# Altium PCB V5_CORE_V1.2.PcbDoc (part 2 of 3)
Units mm, origin at the board's own origin, x right, y up, seen from the top; angles counter-clockwise.
Board outline 33.75 x 33.75 mm, 6 copper layers (Top Layer, GND, S1, S2, POWER, Bottom Layer), stack 1.231 mm thick; 142 components, 227 nets, 732 pads, 359 vias.
Unrouted connection lines stored in the file: 1.
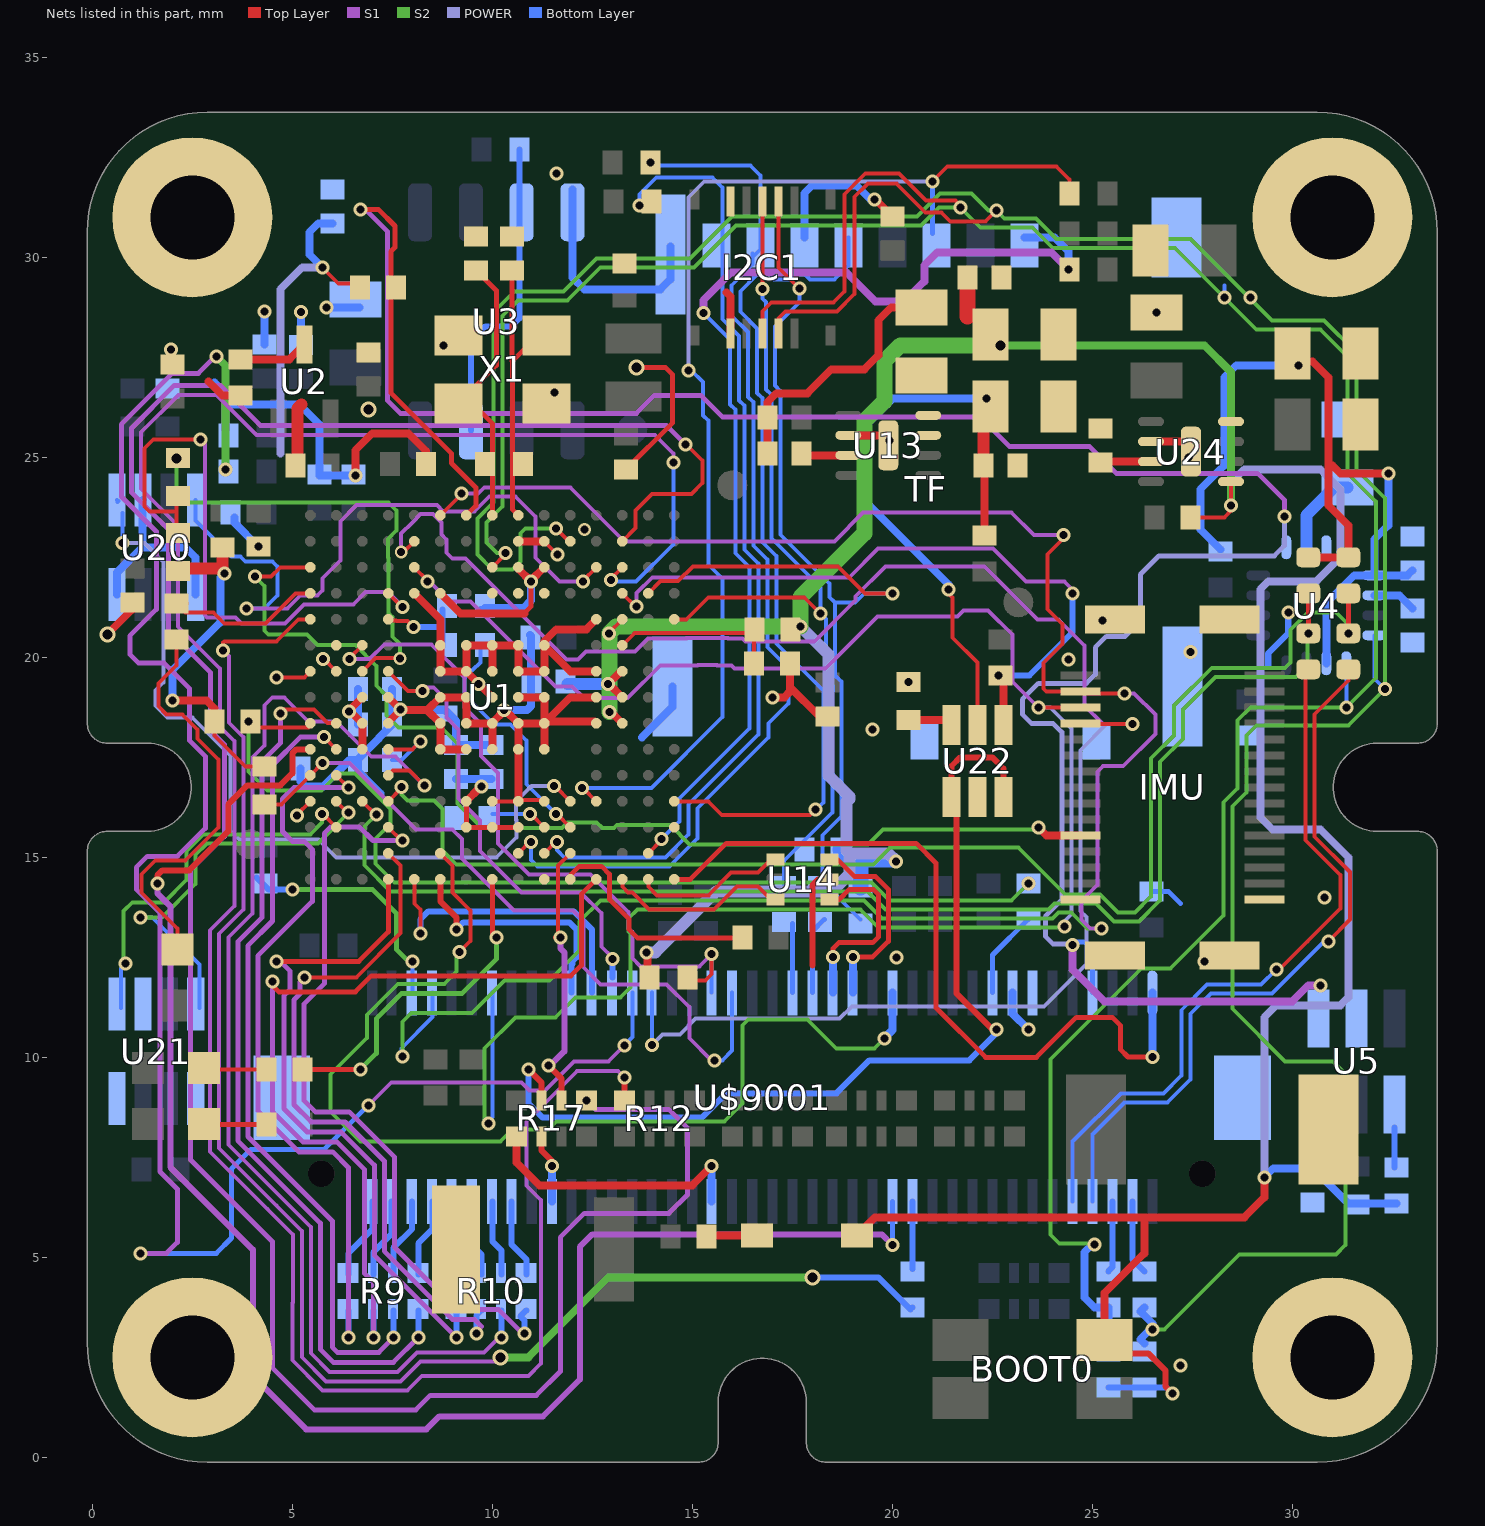
[diagram p6: the nets of this part, all layers, seen from the top]

## Via types
v1: diameter 0.35, hole 0.2, Top Layer to Bottom Layer, tented both sides, 330 vias
v2: diameter 0.4, hole 0.25, Top Layer to Bottom Layer, tented both sides, 18 vias
v3: diameter 0.325, hole 0.2, Top Layer to Bottom Layer, tented both sides, 3 vias
v4: diameter 0.4, hole 0.2, Top Layer to Bottom Layer, tented both sides, 2 vias
v5: diameter 0.6, hole 0.4, Top Layer to Bottom Layer, tented both sides, 1 vias
v6: diameter 0.3, hole 0.2, Top Layer to Bottom Layer, tented both sides, 1 vias
v7: diameter 0.32, hole 0.2, Top Layer to Bottom Layer, tented both sides, 1 vias
v8: diameter 0.55, hole 0.35, Top Layer to Bottom Layer, tented both sides, 1 vias
v9: diameter 0.45, hole 0.25, Top Layer to Bottom Layer, tented both sides, 1 vias
v10: diameter 0.5, hole 0.3, Top Layer to Bottom Layer, tented both sides, 1 vias

## Nets (pads, with @x,y where several pads share a name; then routed paths per layer and width w, separated by ;. In a path a pad name is that pad's centre, name@x,y a point inside that pad or via, vN(x,y) a via of type N, cw(c..) or ccw(c..) an arc to the next point about the centre after c; other vN are vias at no path point) (continued)
FMU-SWDIO: U1.A15 U$9001.1 | length 19.4
  Top Layer w0.125: U1.A15@14.55,14.45 14.95,14.45 15.85,15.35 20.596,15.35 21.088,14.859 21.088,11.246 22.334,10 23.6,10 24.6,11 25.5,11 25.7,10.8 25.7,10.2 25.893,10.007 v1(26.507,10.007)
  Bottom Layer w0.2: v1(26.507,10.007) U$9001.1@26.507,11.616
FMU_CAP4: R12.4 U1.C3 | length 60.9
  Top Layer w0.1: v1(12.967,21.933) 12.933,21.933 U1.C3@13.25,22.25
  Top Layer w0.15: R12.4@13.3,8.925 v1(13.3,9.5)
  S1 w0.1: v1(13.3,9.5) 13.149,9.651 12.115,9.651 10.85,8.386 10.85,6.8 11.212,6.438 11.212,2.348 10.902,2.037 8.237,2.037 7.875,1.675 5.753,1.675 5.728,1.7 5,2.428 5,3.853 5.012,3.865 5.012,5.216 5.012,5.569 4.375,6.207 2.937,7.644 2.937,13.174 3.55,13.786 3.55,17.911 3.187,18.273 3.187,19.723 2.137,20.773 2.137,23.298 1.212,24.223 1.212,25.623 2.152,26.562 3.102,26.562 4.102,25.562 14.063,25.562 14.525,25.1 v1(14.525,24.875)
  Bottom Layer w0.1: v1(12.967,21.933) 13.002,21.898 13.598,21.898 14.525,22.825 v1(14.525,24.875)
FMU_CAP5: R17.1 U1.C2 | length 64.2
  Top Layer w0.1: U1.C2@13.25,22.9 13.583,23.233 13.583,23.671 13.997,24.085 14.98,24.085 15.25,24.355 15.25,24.925 14.825,25.35 v1(14.825,25.325)
  Top Layer w0.15: v1(12.35,8.925) R17.1@12.425,9
  S1 w0.125: v1(12.35,8.925) 12.575,8.7 14.409,8.7 14.884,8.225 14.884,6.57 14.414,6.1 12.3,6.1 11.7,5.5 11.7,2.146 11.104,1.55 8.45,1.55 8.087,1.187 5.551,1.187 4.5,2.238 4.5,5.392 2.45,7.442 2.45,14.675 3.3,15.525 3.3,17.825 2.95,18.175 2.95,19.625 1.9,20.675 1.9,23.2 0.975,24.125 0.975,25.721 2.054,26.8 3.2,26.8 4.2,25.8 14.35,25.8 v1(14.825,25.325)
FMU_CAP6: R17.2 U1.E14 | length 6.9
  Top Layer w0.1: v1@11.562,13 v1(11.7,13) v1@11.7,13.037 ; v1@11.64,13 11.64,14.79 U1.E14@11.95,15.1
  Top Layer w0.15: v1(11.4,9.8) 11.725,9.475 R17.2@11.725,8.925
  S1 w0.15: v1(11.4,9.8) 11.4,9.75 11.8,10.15 11.8,12.625 11.7,12.725 v1(11.7,13)
FMU_CH1: R9.4 U1.P11 | length 18.8
  Top Layer w0.1: U1.P11@6.1,17.05 v1(6.411,16.739)
  S1 w0.125: v1(6.4,3) 6.4,7.246 6.009,7.637 5.163,7.637 4.137,8.663 4.137,12.537 5.5,13.9 5.5,15.2 5.3,15.4 5,15.4 4.755,15.645 4.755,16.455 5.039,16.739 v1(6.411,16.739)
  Bottom Layer w0.15: v1(6.4,3) R9.4@6.4,3.675
FMU_CH2: R9.3 U1.D15 | length 21.6
  Top Layer w0.125: v1(4.5,11.9) 4.5,11.8 4.662,11.638 6.577,11.638 6.977,12.038 11.963,12.038 12.225,12.3 12.225,14.075 U1.D15@12.6,14.45
  S1 w0.125: v1(4.5,11.9) 4.5,8.654 5.266,7.887 6.113,7.887 6.8,7.2 6.8,4.6 7.025,4.375 v1(7.025,3)
  Bottom Layer w0.15: v1(7.025,3) R9.3@7.025,3.675
FMU_CH3: R9.2 U1.P10 | length 20.2
  Top Layer w0.1: v1@5.764,18.036 v1(5.789,18.011) U1.P10@6.1,17.7
  S1 w0.125: v1(5.789,18.011) 5.211,18.011 4.505,17.305 4.505,13.405 3.887,12.787 3.887,8.02 6,5.908 6,2.754 6.129,2.625 7.163,2.625 7.525,2.987 v1(7.525,3) ; v1@5.827,18.011 v1@5.827,18.097
  Bottom Layer w0.15: v1(7.525,3) R9.2@7.525,3.675
FMU_CH4: R9.1 U1.P9 | length 22.3
  Top Layer w0.1: v1@4.71,18.69 5.548,18.69 5.877,18.361 6.1,18.361 U1.P9@6.1,18.35
  S1 w0.125: v1(4.7,18.6) 4.7,17.854 4.237,17.391 4.237,13.491 3.637,12.891 3.637,7.917 5.7,5.854 5.7,2.7 6.025,2.375 7.529,2.375 8.15,2.996 v1(8.15,3)
  Bottom Layer w0.15: v1(8.15,3) R9.1@8.15,3.675
FMU_CH5: R10.4 U1.M15 | length 17
  Top Layer w0.125: v1(4.6,12.4) 6.664,12.4 7.4,13.136 U1.M15@7.4,14.45
  S1 w0.125: v1(4.6,12.4) 4.7,12.4 4.937,12.162 4.937,11.684 4.789,11.536 4.789,8.718 5.37,8.137 6.216,8.137 7.05,7.304 7.05,5.05 v1(9.1,3)
  Bottom Layer w0.15: v1(9.1,3) R10.4@9.1,3.675
FMU_CH6: R10.3 U1.M14 | length 17.4
  Top Layer w0.1: v1(5.3,12) 6.6,12 7.71,13.11 7.71,14.79 U1.M14@7.4,15.1
  S1 w0.125: v1(5.3,12) 5.187,11.887 5.187,11.58 5.039,11.432 5.039,8.821 5.473,8.387 6.32,8.387 7.3,7.407 7.3,5.154 9.004,3.45 9.55,3.45 9.725,3.275 9.6,3.15 v1(9.6,3.1)
  Bottom Layer w0.15: v1(9.6,3.1) 9.6,3.55 R10.3@9.725,3.675
FMU_CH7: R10.2 U1.M11 | length 29.5
  Top Layer w0.1: U1.M11@7.4,17.05 7.515,17.165 7.935,17.165 v1(8.3,16.8)
  S1 w0.1: v1(8.3,16.8) 7.575,17.525 6.975,17.525 6.1,18.4 5.4,18.4 4.8,19 4.5,19 4.3,18.8 4.3,17.789 4,17.489 4,13.6 3.4,13 3.4,7.818 5.463,5.756 5.463,2.602 5.927,2.138 7.627,2.138 8.114,2.625 9.795,2.625 10.17,3 v1(10.225,3)
  Bottom Layer w0.15: v1(10.225,3) R10.2@10.225,3.675
FMU_CH8: R10.1 U1.M13 | length 19.5
  Top Layer w0.1: U1.M13@7.4,15.75 7.733,15.417 v1(7.752,15.417)
  S1 w0.125: v1(7.752,15.417) 7.017,15.417 6.675,15.76 5.96,15.76 5.8,15.6 5.8,11.839 5.289,11.329 5.289,8.925 5.577,8.637 6.423,8.637 7.55,7.511 7.55,5.257 9.107,3.7 10.15,3.7 10.75,3.1 v1(10.8,3.1)
  Bottom Layer w0.15: v1(10.8,3.1) 10.8,3.425 10.7,3.525 R10.1@10.85,3.675
GND: C1.1 C2.1 C3.2 C4.2 C5.1 C6.1 C7.1 C8.1 C9.1 C10.1 C11.1 C13.1 C14.2 C15.2 C16.2 C17.C C18.1 C19.2 C20.2 C21.2 C22.2 C30.2 C31.2 C32.1 C33.1 C34.1 C46.2 C47.1 C48.1 C52.2 C54.2 C55.2 C62.1 C63.1 C69.2 C70.2 C71.1 C72.2 C73.2 D5.2 I2C1.1 I2C1.10 IMU.1 IMU.30 pad.0 R3.2 R4.1 R6.1 R13.2 R14.2 R18.2 R33.1 R36.1 R48.1 R63.2 R64.2 R70.2 R72.1 R74.1 TF.6 TF.9 U1.D5 U1.D7 U1.D8 U1.D9 U1.F2 U1.F6 U1.F7 U1.F8 U1.F9 U1.F10 U1.F12 U1.G2 U1.G6 U1.G7 U1.G8 U1.G9 U1.G10 U1.G12 U1.H6 U1.H7 U1.H8 U1.H9 U1.H10 U1.H12 U1.J6 U1.J7 U1.J8 U1.J9 U1.J10 U1.K6 U1.K7 U1.K8 U1.K9 U1.K10 U1.L4 U1.M8 U1.M9 U3.4 U4.9 U4.11 U5.2 U13.2 U14.2 U20.2 U20.5 U20.8 U21.2 U21.5 U21.8 U22.2 U24.2 U$9001.13 U$9001.15 U$9001.GND X1.2 X1.4 | length 92.9
  Top Layer w0.1: 8.348,18.683 8.367,18.683 8.383,18.683 ; U1.H12@10,16.4 U1.G12@10.65,16.4 10.683,16.433 U1.F12@11.267,16.433 ; U1.F2@11.3,22.9 v1(11.625,22.575)
  Top Layer w0.125: C21.2@13.346,24.7 14.5,25.854 14.5,27.075 14.325,27.25 v2(13.6,27.25)
  Top Layer w0.15: 18,12.3 18,14.3 18.141,14.441 U14.2@18.435,14.441
  Top Layer w0.2: v2(0.375,20.575) 1,21.2 C46.2@1,21.375 ; 2.9,26.9 3.25,26.55 R33.1@3.7,26.55 ; v1(6.575,24.55) 6.575,25.175 7,25.6 7.9,25.6 8.348,25.152 R4.1@8.348,24.836 ; U1.M9@7.4,18.378 v1(7.711,18.689) U1.M8@7.4,19 ; v1@7.733,18.683 8.383,18.683 U1.K8@8.7,19 U1.J8@9.35,19 U1.J9@9.35,18.35 U1.H9@10,18.35 ; U1.L4@8.05,21.6 8.7,20.95 U1.K6@8.7,20.3 U1.K7@8.7,19.65 U1.J7@9.35,19.65 ; 8.367,18.683 U1.K9@8.7,18.35 U1.K10@8.7,17.7 U1.J10@9.35,17.7 ; U1.H10@10,17.7 U1.H9@10,18.35 ; U1.H8@10,19 U1.J7@9.35,19.65 ; U1.H7@10,19.65 U1.H6@10,20.3 ; U1.G12@10.65,16.433 U1.G10@10.65,17.7 U1.G9@10.65,18.35 ; U1.G8@10.65,19 U1.F8@11.3,19 U1.F9@11.3,18.35 ; U1.G2@10.65,22.9 U1.F2@11.3,22.9 ; U1.F10@11.3,17.7 U1.F9@11.3,18.35 ; U1.D9@12.6,18.35 12.55,18.4 U1.F9@11.35,18.4 ; U1.D8@12.6,19 11.95,19 U1.F9@11.35,18.4 ; U1.D7@12.6,19.65 11.95,19.65 U1.F6@11.3,20.3 ; U1.D5@12.6,20.95 12.35,20.7 11.6,20.7 11.3,20.4 U1.F6@11.3,20.3 ; 15.85,29.125 15.95,29.025 I2C1.1@15.95,28.1 ; C31.2@16.875,25.1 C32.1@16.875,26 16.875,26.375 17.1,26.6 17.875,26.6 18.475,27.2 19.3,27.2 19.65,27.55 19.65,28.425 19.975,28.75 C14.2@20.725,28.75 ; v1(17,19) 17.3,19 17.447,19.147 17.447,19.253 ; R3.2@17.447,19.842 17.447,19.253 ; C63.1@18.375,18.525 18.175,18.525 17.447,19.253 ; U13.2@18.9,25.55 U13.2@19.65,25.55 ; v1(19.55,31.45) 19.55,31.475 C34.1@20,31.025 ; U24.2@26.467,25.392 U24.2@27.217,25.392 ; U1.J7@9.35,19.65 U1.J6@9.35,20.3 U1.H6@10,20.3 ; U1.H9@10,18.35 10,18.365 10.317,18.683 U1.G9@10.65,18.35 ; U1.H6@10,20.3 U1.G6@10.65,20.3 U1.G7@10.65,19.65 U1.F7@11.3,19.65 U1.F6@11.3,20.3 ; U1.G9@10.65,18.35 U1.F9@11.3,18.35 ; U1.F9@11.3,18.35 U1.F9@11.35,18.4
  Top Layer w0.3: C48.1@5.075,24.8 5.125,24.85 5.125,26.225 5.225,26.325
  Bottom Layer w0.125: R64.2@26.475,14.15 26.9,14.15 27.2,13.85
  Bottom Layer w0.154: 29.4,19.8 29.4,20.098 29.9,20.598 v1@29.9,21.1
  Bottom Layer w0.2: U20.8@0.621,21.566 0.621,22.121 1.25,22.75 ; U20.2@1.271,23.934 1.25,23.914 1.25,22.75 ; U20.5@2.586,21.566 2.575,21.577 2.575,22.5 2.325,22.75 1.25,22.75 ; 3.05,26.875 3.325,26.6 3.325,26.35 ; R72.1@3.325,25.7 3.325,26.35 ; R63.2@3.55,23.5 3.55,23.366 v1(4.151,22.765) ; C62.1@4.3,27.825 v1(4.3,28.645) ; R36.1@5.2,17.225 5.2,16.9 5.325,16.775 5.775,16.775 6.429,17.429 C3.2@6.647,17.429 ; C71.1@5.22,27.809 v1(5.22,28.629) ; v1(5.855,28.75) C54.2@6.675,28.75 ; v1(6.575,24.55) 5.675,24.55 5.675,25.825 5.175,26.325 3.35,26.325 3.325,26.35 ; 7.2,16.6 6.647,17.153 C3.2@6.647,17.429 ; C7.1@7.497,19.207 C11.1@7.497,18.318 7.151,17.972 7.151,17.954 6.647,17.45 C3.2@6.647,17.429 ; v1@7.711,18.683 8.817,18.683 9.096,18.404 C10.1@9.096,17.808 C9.1@9.985,17.808 ; v1(10.298,18.683) 10.868,18.683 10.965,18.78 10.965,20.533 R6.1@10.94,20.558 ; U3.4@12.005,31.695 U3.4@12.005,31.125 12.005,29.495 12.3,29.2 14.2,29.2 14.45,29.45 TF.6@14.45,30.275 ; 13.746,18 14.5,18.754 TF.6@14.5,19.275 ; TF.6@17.8,30.5 17.8,31.6 18,31.8 19.1,31.8 19.45,31.45 v1(19.55,31.45) ; U$9001.15@23.002,11.608 23.002,11.098 v1(23.4,10.7) ; U$9001.15@23.007,11.608 U$9001.15@23.007,11.616
  other v1: 27.2,2.3 27.8,12.4 20.1,12.5 30.8,14 19.5,18.2 9.65,19.326 20.405,19.382 24.4,19.95 27.451,20.126 25.25,20.925 29.9,21.125 27.4,25 19.925,25.425 11.55,26.625 1.97,27.695 8.775,27.8 26.6,28.625 11.6,32.1
  other v2: 6.9,26.2
  other v3: 12.3,23.2
GPIO_CAN1_RX: U1.D3 U20.4 | length 17.1
  Top Layer w0.1: v1(12.267,21.898) 12.267,21.917 U1.D3@12.6,22.25
  S1 w0.1: v1(3.85,21.225) 4.875,21.225 5.2,21.55 5.625,21.55 5.75,21.675 5.75,21.975 6.2,22.425 6.2,23.4 6.601,23.801 8.614,23.801 8.765,23.65 9.55,23.65 9.925,24.025 10.575,24.025 11.075,23.525 11.075,22.5 11.677,21.898 v1(12.267,21.898)
  Bottom Layer w0.1: U20.4@2.586,23.934 2.586,23.414 3.475,22.525 3.7,22.525 3.825,22.4 4.5,22.4 4.625,22.275 4.625,21.55 4.3,21.225 v1(3.85,21.225)
GPIO_CAN1_SILENT_S0: U1.F4
GPIO_CAN1_TX: U1.E12 U20.1 | length 20.2
  Top Layer w0.1: v1(11.546,16.783) 11.567,16.783 U1.E12@11.95,16.4
  POWER w0.1: v1(0.75,22.851) 1.301,22.851 1.775,22.377 1.775,19.375 1.575,19.175 1.575,18.8 1.875,18.5 2.5,18.5 3.45,17.55 3.45,15.675 3.675,15.45 5.65,15.45 6.1,15 10.1,15 10.6,15.5 10.6,15.935 10.598,15.938 10.598,16.398 10.983,16.783 v1(11.546,16.783)
  Bottom Layer w0.1: U20.1@0.621,23.934 0.65,23.905 U20.1@0.625,23.88 ; v1(0.75,22.851) U20.1@0.75,23.605
GPIO_CAN2_RX: U1.P12 U21.4 | length 10.2
  Top Layer w0.1: U1.P12@6.1,16.4 v1@6.433,16.067
  S2 w0.1: v1(1.2,13.5) 1.739,13.5 2.575,14.336 2.575,15.057 2.868,15.35 5.639,15.35 v1(6.412,16.123)
  Bottom Layer w0.1: v1(1.2,13.5) 1.5,13.5 2.686,12.314 U21.4@2.686,11.234
GPIO_CAN2_SILENT_S1: U1.G4
GPIO_CAN2_TX: U1.P13 U21.1 | length 9.6
  Top Layer w0.1: v1(5.748,16.083) 5.767,16.083 U1.P13@6.1,15.75
  S2 w0.1: v1(0.825,12.35) 0.778,12.397 0.778,13.653 1,13.875 1.795,13.875 2.35,14.43 2.35,15.15 2.775,15.575 5.45,15.575 5.748,15.873 v1(5.748,16.083)
  Bottom Layer w0.1: U21.1@0.721,11.234 0.721,12.221 0.825,12.325 v1(0.825,12.35)
  Bottom Layer w0.125: v1(0.825,12.35) 0.85,12.35 v1@0.9,12.3
GPIO_CAN3_RX: U1.F15
GPIO_CAN3_SILENT_S2: U1.H4
GPIO_CAN3_TX: U1.A13
GPIO_HW_VER_DRIVE: R67.1 U1.N7 | length 11.5
  Top Layer w0.1: U1.N7@6.75,19.65 7.086,19.986 v3@7.69,19.986
  S2 w0.1: v2(2.1,24.975) 2.1,24.15 2.375,23.875 7.4,23.875 7.6,23.675 7.6,23.175 7.388,22.963 7.388,22.49 7.4,22.477 7.4,21.106 7.5,21.006 7.5,20.525 7.69,20.335 v3(7.69,19.975)
GPIO_OTGFS_VBUS: R8.1 U1.E15 | length 5.8
  Top Layer w0.125: U1.E15@11.95,14.45 11.95,14.55 12.173,14.773 12.734,14.773 12.927,14.579 12.927,13.948 13.412,13.463 13.412,13.2 13.625,12.988 16.238,12.988 R8.1@16.25,13
GPIO_PPM_IN: R47.2 U1.C4 U22.4 | length 17.1
  Top Layer w0.1: U1.C4@13.25,21.6 13.583,21.267 13.59,21.275 v1(13.61,21.275)
  Top Layer w0.2: U22.4@22.781,18.308 R47.2@22.781,19.469
  S1 w0.1: v1(13.61,21.275) 13.61,21.61 14,22 18.925,22 19.646,22.721 19.671,22.721 19.675,22.725 22.52,22.725 23.345,21.9 24.3,21.9 24.5,21.7 v1(24.5,21.6)
  Bottom Layer w0.15: v1(22.65,19.55) 23.43,19.55 24.5,20.62 v1(24.5,21.6)
GPIO_SPI5_MISO: IMU.18 U1.L3 U$9001.67 | length 49.2
  Top Layer w0.1: U1.L3@8.05,22.25 v1@8.383,21.917 ; v1(23.65,18.75) IMU.18@24.7,18.75
  S1 w0.1: v1@8.402,21.917 8.92,21.4 9.45,21.4 11.575,19.275 11.998,19.275 12.29,18.983 13.383,18.983 14.2,19.8 15.137,19.8 ; v1(23.65,18.75) 23,19.4 23,20.564 22.389,21.175 21.78,21.175 21.63,21.025 19.635,21.025 18.335,19.725 16.056,19.725 15.981,19.8 15.615,19.8 15.614,19.801 15.138,19.801 ; 15.137,19.8 15.138,19.801
  S2 w0.1: v1(9.9,8.35) 9.8,8.45 9.8,10.22 10.58,11 11.575,11 12.075,11.5 13.2,11.5 13.45,11.75 13.45,13.095 13.4,13.145 13.4,13.47 13.63,13.7 19.2,13.7 19.65,13.25 24.275,13.25 v1(24.3,13.275)
  POWER w0.1: v1(23.65,18.75) 23.95,18.75 24.475,18.225 24.475,13.566 24.3,13.391 v1(24.3,13.275)
  Bottom Layer w0.1: v1@9.825,8.325 10.001,8.501 U$9001.67@10.001,11.616
  other v1: 8.377,21.892
GPIO_SPI5_MOSI: IMU.19 U1.L2 U$9001.51 | length 46.1
  Top Layer w0.1: v7(7.723,22.629) 7.779,22.629 U1.L2@8.05,22.9 ; IMU.19@24.7,18.35 24.724,18.326 v1(26.001,18.326)
  S1 w0.1: v7(7.723,22.629) 7.723,23.092 8,23.37 ; 8,23.371 8.205,23.576 8.52,23.576 8.725,23.371 8.725,23.07 8.85,22.946 8.85,22.625 9,22.475 9.33,22.475 11.855,19.95 12.145,19.95 12.345,20.15 13.568,20.15 13.893,20.475 14.857,20.475 14.858,20.476 15.894,20.476 15.894,20.475 16.261,20.475 16.336,20.4 18.056,20.4 19.075,21.419 19.075,21.514 19.832,22.271 19.858,22.271 19.862,22.275 22.307,22.275 23.632,20.95 24.15,20.95 24.8,20.3 24.8,18.8 25.274,18.326 v1(26.001,18.326)
  POWER w0.1: v1(13.989,10.311) 14.252,10.575 14.693,10.575 15.082,10.964 18.682,10.964 18.993,11.275 23.797,11.275 24.851,12.329 24.851,13.508 24.7,13.659 24.7,17.672 25.354,18.326 v1(26.001,18.326)
  Bottom Layer w0.1: v1(13.989,10.311) U$9001.51@13.989,11.616
GPIO_SPI5_SCK: IMU.17 U1.K1 U$9001.73 | length 53.5
  Top Layer w0.1: U1.K1@8.7,23.55 9.225,24.075 v1(9.225,24.095) ; v1(24.275,23.052) 24.275,22.975 23.875,22.575 23.875,21.207 24.25,20.832 24.25,20.332 23.775,19.857 23.775,19.225 23.85,19.15 IMU.17@24.7,19.15 24.75,19.1 v1(25.8,19.1)
  S1 w0.1: v1(9.225,24.095) 9.645,24.095 9.8,24.25 11.95,24.25 13.3,22.9 18.552,22.9 19.273,23.621 19.299,23.621 19.303,23.625 22.975,23.625 23.548,23.052 v1(24.275,23.052) ; v1(25.225,13.225) 24.95,13.225 24.725,13.45 24.725,13.907 25.125,14.307 25.125,17.132 25.269,17.276 25.764,17.276 26.576,18.088 26.576,18.564 26.04,19.1 v1(25.8,19.1)
  S2 w0.1: v1(7.75,10.025) 7.75,10.887 7.975,11.112 9.494,11.112 10.307,11.925 11.432,11.925 12.175,12.668 12.175,13.393 12.707,13.925 19.293,13.925 19.743,13.475 24.005,13.475 24.155,13.625 24.475,13.625 24.875,13.225 v1(25.225,13.225)
  Bottom Layer w0.1: v1(7.75,10.025) 7.725,10.05 7.725,10.225 8.502,11.002 U$9001.73@8.502,11.616
GREEN_LED: R41.1 U1.H15 | length 8.5
  Top Layer w0.125: R41.1@5.25,9.7 v1(6.7,9.7) ; U1.H15@10,14.45 10,13.1 v1(10.1,13)
  S2 w0.125: v1(6.7,9.7) 7.1,10.1 7.1,10.964 7.736,11.6 8.898,11.6 9.246,11.6 10.1,12.454 v1(10.1,13)
HEATER: IMU.26 U1.R3 | length 27.5
  Top Layer w0: v1@23.6,15.8 v1(23.65,15.75)
  Top Layer w0.1: v1(4.064,22.014) 4.464,22.014 4.7,22.25 U1.R3@5.452,22.25
  Top Layer w0.2: v1(23.65,15.75) 23.85,15.55 IMU.26@24.7,15.55
  S2 w0.1: v1(4.064,22.014) 4.3,21.778 4.3,20.675 4.4,20.575 5.365,20.575 5.632,20.308 6.579,20.308 7.1,19.787 7.1,19.293 7.361,19.032 7.361,18.544 7.655,18.25 8.725,18.25 9.125,17.85 9.125,16.35 9.742,15.733 11.093,15.733 11.453,15.733 11.743,15.733 11.885,15.875 12.61,15.875 12.753,15.733 13.043,15.733 13.112,15.802 14.455,15.802 14.932,15.325 19.394,15.325 19.763,15.695 22.713,15.695 22.718,15.7 23.5,15.7 v1@23.6,15.8
HW_REV_DRIVE: R69.1 U1.E13 | length 6
  Top Layer w0.1: v1@11.617,16.083 U1.E13@11.95,15.75
  Bottom Layer w0.1: R69.1@9.702,20.3 9.702,19.87 9.507,19.676 9.505,19.676 9.3,19.47 9.3,19.075 10.05,18.325 10.45,18.325 10.85,17.925 10.85,16.83 v1(11.598,16.083)
HW_REV_SENSE_CH: R68.1 R69.2 U1.M5 | length 2.4
  Top Layer w0.1: U1.M5@7.4,20.95 7.4,20.917 7.589,20.917 7.605,20.901 7.875,20.901 v1(8.025,20.751)
  Bottom Layer w0.15: v1(8.025,20.751) 8.726,20.751 8.752,20.725 ; R69.2@8.752,20.3 R68.1@8.752,21.2
HW_VER_SENSE_CH: R66.1 R67.2 U1.M4 | length 15.2
  Top Layer w0.1: R66.1@2.1,23.175 2.1,23.625 ; R67.2@2.1,24.025 2.1,23.625 ; v1(2.7,25.45) 1.525,25.45 1.3,25.225 1.3,23.775 1.425,23.65 2.075,23.65 2.1,23.625 ; U1.M4@7.4,21.6 7.749,21.251 v1(7.75,21.251)
  S1 w0.1: v1@2.75,25.525 2.813,25.462 2.813,21.053 2.865,21 3.58,21 3.73,20.85 4.818,20.85 5.293,21.325 6.525,21.325 6.826,21.626 7.394,21.626 7.75,21.269 v1(7.75,21.251)
I2C1_SCL: I2C1.8 R29.1 R44.1 U1.A5 | length 22.4
  Top Layer w0.1: U1.A5@14.55,20.95 14.85,20.95 15.4,21.5 17.8,21.5 v1(18.2,21.1) ; v1(16.751,29.201) I2C1.8@16.751,31.399
  Bottom Layer w0.1: 16.75,28.975 16.847,28.878 16.847,26.698 16.975,26.569 16.975,22.977 18.2,21.752 v1(18.2,21.1) 18.346,20.954 18.346,19.454 18.5,19.3 18.5,16.116 17.298,14.913 R44.1@17.298,14.286 ; 16.751,28.976 v1(16.751,29.201)
I2C1_SDA: I2C1.7 R30.1 R37.1 U1.B4 | length 27.9
  Top Layer w0.1: U1.B4@13.9,21.6 14.21,21.91 14.648,21.91 15.013,22.275 18.643,22.275 19.318,21.6 v1(20,21.6) ; I2C1.7@17.15,31.4 17.15,29.75 v1(17.675,29.225)
  Bottom Layer w0.1: v1(17.675,29.225) 17.675,28.875 17.072,28.272 17.072,26.791 17.2,26.663 17.2,23.071 18.425,21.846 18.425,21.512 18.571,21.366 ; R37.1@18.198,14.286 18.364,14.286 R30.1@19.2,13.45 ; R37.1@18.25,14.4 18.25,15.547 18.725,16.022 18.725,19.394 18.571,19.548 18.571,21.366 ; v1(20,21.6) 19.3,21.6 19.066,21.366 18.571,21.366
I2C2_SCL: I2C1.3 R15.1 R57.1 U1.H3 U4.1 | length 72.2
  Top Layer w0.1: U1.H3@10,22.25 v1@10.333,22.583 ; I2C1.3@16.75,28.1 16.75,28.65 16.975,28.875 18.525,28.875 18.8,29.15 18.8,31.575 19.325,32.1 20.168,32.1 20.843,31.425 21.575,31.425 21.7,31.3 v1(21.7,31.25)
  S2 w0.1: v1(10.333,22.602) 10.123,22.602 9.85,22.875 9.85,23.371 10.25,23.771 10.25,28.532 10.643,28.925 11.875,28.925 12.7,29.75 15.04,29.75 16.09,30.8 20.713,30.8 21.163,31.25 v1(21.7,31.25) 22.2,30.75 23.5,30.75 24.013,30.237 27.063,30.237 v1(28.3,29) 29.1,28.2 30.7,28.2 31.375,27.525 31.375,24.607 32.087,23.894 32.087,19.487 v1(31.35,18.75) 28.96,18.75 28.625,18.415 28.625,16.715 28.275,16.365 28.275,13.55 26.95,12.225 26.225,12.225 23.95,9.95 23.95,5.575 24.175,5.35 25.025,5.35 v1(25.05,5.325)
  Bottom Layer w0.1: v1(28.3,29) 28.3,29.3 ; v1(31.35,18.75) U4.1@31.35,19.55
  Bottom Layer w0.2: v1(25.05,5.325) 25,5.325 24.8,5.125 24.8,4 25.05,3.75 R57.1@25.4,3.75 R15.1@25.4,2.85
I2C2_SDA: I2C1.4 R16.1 R28.1 U1.E2 U4.16 | length 79.1
  Top Layer w0.1: v1(11.59,23.225) 11.915,22.9 U1.E2@11.95,22.9 ; I2C1.4@17.15,28.1 17.15,28.475 17.325,28.65 18.618,28.65 19.05,29.082 19.05,31.507 19.393,31.85 20.1,31.85 20.825,31.125 21.225,31.125 21.45,30.9 22.325,30.9 v1(22.6,31.175)
  S2 w0.1: v1(11.59,23.225) 10.825,23.225 10.7,23.1 10.7,22.4 10.5,22.2 10,22.2 9.625,22.575 9.625,23.465 10.025,23.864 10.025,28.625 10.55,29.15 11.782,29.15 12.607,29.975 14.947,29.975 15.997,31.025 20.62,31.025 21.195,31.6 21.98,31.6 22.405,31.175 v1(22.6,31.175) 22.8,30.975 23.593,30.975 24.106,30.462 27.456,30.462 29.293,28.625 29.493,28.425 30.793,28.425 31.6,27.618 31.6,24.7 32.313,23.987 v1(32.313,19.213) 31.4,18.3 29.1,18.3 28.85,18.05 28.85,16.622 28.5,16.272 28.5,11.218 29.818,9.9 31.018,9.9 31.3,9.618 31.325,9.593 31.325,5.307 31.093,5.075 28.675,5.075 26.8,3.2 v1(26.5,3.2)
  Bottom Layer w0.1: U4.16@32.05,20.55 32.05,19.475 v1(32.313,19.213)
  Bottom Layer w0.2: R16.1@26.3,2.85 26.2,2.95 26.45,3.2 v1(26.5,3.2) 26.5,3.35 26.2,3.65 R28.1@26.3,3.75
  other v1: 28.95,29
I2C3_SCL: R58.1 R61.1 U1.N12 | length 33.2
  Top Layer w0.1: U1.N12@6.75,16.4 7.083,16.067 v1(7.102,16.067) ; R61.1@30.325,20.525 v1(30.4,20.6)
  Top Layer w0.125: v1(30.4,20.6) R58.1@30.4,21.6
  S2 w0.1: v1(7.102,16.067) 6.8,15.765 6.8,14.807 7.457,14.15 19.386,14.15 19.836,13.7 23.912,13.7 24.062,13.85 25.095,13.85 25.545,13.4 26.164,13.4 26.688,13.923 26.688,17.376 27.265,17.953 27.265,18.697 28.081,19.513 30.094,19.513 30.375,19.793 30.375,20.575 v1(30.4,20.6)
I2C3_SDA: R59.1 R60.1 U1.M12 | length 33.9
  Top Layer w0.1: U1.M12@7.4,16.4 v1@7.733,16.733
  Top Layer w0.125: v1(31.4,20.6) R59.1@31.4,21.6
  S2 w0.1: v1(7.733,16.752) 7.733,16.568 7.884,16.417 8.547,16.417 8.752,16.212 8.752,15.173 9.1,14.825 19.344,14.825 19.53,14.825 19.58,14.875 19.95,15.245 22.899,15.245 22.905,15.25 23.15,15.25 24.325,14.075 25.188,14.075 25.638,13.625 26.071,13.625 26.462,14.017 26.462,17.469 27.04,18.047 27.04,18.79 27.988,19.738 29.813,19.738 29.95,19.875 29.95,20.68 30.395,21.125 31.1,21.125 31.4,20.825 v1(31.4,20.6)
I2C4_SCL: U1.R7 | length 0.9
  Top Layer w0.1: v1(4.6,19.5) 4.935,19.5 5.3,19.5 U1.R7@5.45,19.65
I2C4_SDA: U1.P7 | length 0.5
  Top Layer w0.1: v1@5.748,19.983 5.767,19.983 U1.P7@6.1,19.65
  other v1: 5.773,19.958
I2C_2_SCL: R57.2 U$9001.6 | length 1.8
  Bottom Layer w0.15: R57.2@25.4,4.65 25.502,4.752 U$9001.6@25.502,6.392
I2C_2_SDA: R28.2 U$9001.4 | length 1.9
  Bottom Layer w0.15: U$9001.4@26.002,6.392 26.002,4.948 R28.2@26.3,4.65
I2C_3_SCL: R61.2 U$9001.10 | length 17.8
  Top Layer w0.1: v1(29.6,12.2) 29.675,12.2 30.375,12.9 31.2,13.725 31.2,14.557 30.325,15.432 30.325,16.579 30.326,16.581 30.326,16.871 30.325,16.872 R61.2@30.325,19.625
  Bottom Layer w0.1: U$9001.10@24.507,6.4 24.507,7.889 25.718,9.1 26.782,9.1 27.225,9.543 27.225,11.176 27.869,11.82 29.22,11.82 v1(29.6,12.2)
I2C_3_SDA: R60.2 U$9001.8 | length 18.6
  Top Layer w0.1: v1(30.9,12.9) 31.446,13.446 31.446,14.629 30.55,15.525 30.55,16.486 30.551,16.488 30.551,16.964 30.55,16.965 30.55,18.575 31.4,19.425 R60.2@31.4,19.7 R60.2@31.6,19.5
  Bottom Layer w0.1: U$9001.8@25.007,6.4 25.007,8.071 25.811,8.875 26.875,8.875 27.45,9.45 27.45,11.082 27.963,11.595 29.49,11.595 30.795,12.9 v1(30.9,12.9)
I2C_SCL1_GPS: R44.2 U$9001.37 | length 1.7
  Bottom Layer w0.125: U$9001.37@17.507,11.616 R44.2@17.507,13.343
I2C_SDA1_GPS: R37.2 U$9001.35 | length 2
  Bottom Layer w0.125: U$9001.35@18.007,11.616 18.007,13.157 R37.2@18.3,13.45
IMU_3V3: C69.1 C72.1 R56.1 R58.2 R59.2 U4.2 U4.13 U24.8 | length 21.6
  Top Layer w0.2: C72.1@30.2,27.4 30.5,27.4 30.9,27 30.9,24.7 ; R58.2@30.4,22.5 R59.2@31.4,22.5 31.4,23.3 30.9,23.8 30.9,24.7 ; v1(32.4,24.6) 31.2,24.6 31,24.8 30.9,24.7
  Bottom Layer w0.2: R56.1@28.2,22.7 27.7,23.2 27.7,24.2 28.3,24.8 28.3,27 28.6,27.3 v1(30.15,27.3) ; U4.2@30.85,19.85 30.85,21.35 31.55,22.05 U4.13@32.05,22.05 ; v1(32.4,24.6) 32.4,23.3 32.05,22.95 U4.13@32.05,22.05 ; C69.1@33,22.175 32.875,22.05 U4.13@32.05,22.05
IO1_3V3: C30.1 C52.1 R62.2 U13.7 U22.5 | length 15.2
  Top Layer w0.1: v1(21.4,21.7) 21.4,21.6 21.5,21.5 21.5,20.5 22.131,19.869 U22.5@22.131,18.308
  Top Layer w0.2: C30.1@22.275,24.8 22.3,24.775 R62.2@22.3,23.05
  Top Layer w0.3: C30.1@22.275,24.8 C52.1@22.275,26.19
  Bottom Layer w0.2: v1(21.4,21.7) 21.4,21.825 19.25,23.975 19.25,25.701 20.024,26.475 v1(22.35,26.475)
IO-CH1-PROT: R9.5 U$9001.80 | length 2.1
  Bottom Layer w0.15: R9.5@6.4,4.575 6.4,5.1 7.004,5.704 U$9001.80@7.004,6.4
IO-CH2-PROT: R9.6 U$9001.78 | length 2
  Bottom Layer w0.15: R9.6@7.025,4.575 7.025,5.125 7.486,5.586 U$9001.78@7.486,6.4
IO-CH3-PROT: R9.7 U$9001.76 | length 2
  Bottom Layer w0.15: R9.7@7.525,4.575 7.525,5.236 7.994,5.705 U$9001.76@7.994,6.4
IO-CH4-PROT: R9.8 U$9001.74 | length 2
  Bottom Layer w0.15: R9.8@8.15,4.575 8.15,5.35 8.502,5.702 U$9001.74@8.502,6.4
IO-CH5-PROT: R10.5 U$9001.72 | length 1.9
  Bottom Layer w0.15: U$9001.72@8.985,6.4 8.985,4.79 R10.5@9.2,4.575
IO-CH6-PROT: R10.6 U$9001.70 | length 1.9
  Bottom Layer w0.15: U$9001.70@9.493,6.4 9.493,5.307 9.725,5.075 R10.6@9.725,4.575
IO-CH7-PROT: R10.7 U$9001.68 | length 1.9
  Bottom Layer w0.15: U$9001.68@10.001,6.4 10.001,5.399 10.225,5.175 R10.7@10.225,4.575
IO-CH8-PROT: R10.8 U$9001.66 | length 2
  Bottom Layer w0.15: U$9001.66@10.483,6.4 10.483,5.317 10.85,4.95 R10.8@10.85,4.575
IO-USART1_TX: R17.5 U$9001.46 | length 6.8
  Top Layer w0.2: R17.5@10.6,8.025 10.6,7.375 11.175,6.8 15.001,6.8 v1(15.487,7.286)
  Bottom Layer w0.2: U$9001.46@15.487,6.4 v1@15.487,7.186
MCU_3V3: BOOT0.A2 C5.2 C6.2 C7.2 C8.2 C9.2 C10.2 C11.2 C14.1 C15.1 C22.1 D4.A R2.2 R5.2 R7.2 R15.2 R16.2 R22.1 R29.2 R30.2 R31.2 R32.2 R43.1 R66.2 R68.2 R75.2 R76.2 U1.C5 U1.C7 U1.C8 U1.C9 U1.F3 U1.G3 U1.G13 U1.H13 U1.J12 U1.J13 U1.K4 U1.N8 U1.N9 U1.N10 U5.6 U13.8 U24.5 | length 128.4
  Top Layer w0.1: R43.1@3.05,18.4 3.05,18.05 3.825,17.275 R32.2@4.3,17.275 ; v1(5.75,29.75) 6.15,29.35 R5.2@6.692,29.35 ; v1(6.417,18.648) v1@6.417,18.667 ; v1@9.683,16.733 v1(9.725,16.775) ; v1(10.967,21.898) v1@10.967,21.917 ; v1(12.898,19.333) v1@12.917,19.333 ; v1(12.917,20.598) 12.917,20.617 U1.C5@13.25,20.95 ; v1(12.933,18.633) v1@12.933,18.667 ; R22.1@27.45,23.5 28.3,23.5 28.467,23.667 v1(28.467,23.8) U24.5@28.467,24.392
  Top Layer w0.125: U1.J12@9.35,16.4 U1.J13@9.35,15.75 U1.H13@10,15.75 U1.G13@10.65,15.75 ; 10.8,21.1 10.973,21.273 10.973,21.893 v1(10.967,21.898) ; U1.C9@13.213,18.387 U1.C9@13.25,18.35 ; U1.C8@13.213,18.963 U1.C8@13.25,19
  Top Layer w0.15: BOOT0.A2@25.301,2.938 25.638,2.6 26.4,2.6 26.825,2.175 26.825,1.775 v1(27,1.6)
  Top Layer w0.2: v1@1.95,18.975 v1(2,18.925) 2.85,18.925 3.05,18.725 R43.1@3.05,18.4 ; v1@6.417,18.667 v1@6.425,18.675 ; v1@6.417,18.683 v1@6.425,18.675 ; U1.N10@6.75,17.7 U1.N9@6.75,18.35 v1@6.425,18.675 ; U1.N8@6.75,19 v1@6.425,18.675 ; U1.K4@8.7,21.6 9.2,21.1 10.8,21.1 ; U1.J12@9.35,16.4 v1@9.683,16.733 ; U1.G3@10.65,22.215 v1(10.967,21.898) ; v1@10.967,21.917 U1.F3@11.3,22.25 ; v1(12.898,19.333) 13.215,19.65 U1.C7@13.25,19.65 ; v1@12.917,19.333 U1.C8@13.25,19 ; v1@12.933,18.667 U1.C9@13.213,18.387 ; R31.2@13.875,11.85 v1@13.875,12.65 ; D4.A@19.114,5.542 19.572,6 26.3,6 ; BOOT0.A2@25.301,2.938 25.301,4.101 26.3,5.1 26.3,6 ; v1(29.3,7) 29.3,6.5 28.8,6 26.3,6
  Top Layer w0.3: R66.2@2.1,22.225 3.175,22.225 v1(3.3,22.1) ; v1@3.262,22.238 R7.2@3.262,22.74
  Top Layer w0.4: 21.875,28.525 C5.2@21.875,29.5
  S2 w0.2: 21.4,27.8 27.8,27.8 28.467,27.133 v1(28.467,23.8)
  S2 w0.4: v1(12.933,18.633) 12.933,20.613 13.095,20.775 v1(17.7,20.775) 17.7,21.5 19.3,23.1 19.3,25.9 19.8,26.4 19.8,27.4 20.2,27.8 22.1,27.8
  POWER w0.2: 4.7,25.1 4.7,29.2 5.25,29.75 v1(5.75,29.75) ; v1(28.467,23.8) 28.467,24.367 28.8,24.7 30.7,24.7 31.2,24.2 31.2,22.5 30.6,21.9 29.4,21.9 29.2,21.7 29.2,16 29.5,15.7 30.7,15.7 31.4,15 31.4,11.5 31.2,11.3 29.6,11.3 29.3,11 v1(29.3,7)
  POWER w0.3: v1(13.85,12.625) 14.075,12.625 15.6,14.15 18.5,14.15 18.925,14.575 18.925,15.1 ; v1(17.7,20.775) 18.4,20.075 18.4,17.05 18.925,16.525 18.925,16.461 18.85,16.386 18.85,15.175 18.925,15.1 ; v1(20.095,14.895) 20.095,14.905 19.9,15.1 18.925,15.1
  Bottom Layer w0.1: R68.2@9.7,21.225 R68.2@9.7,21.236
  Bottom Layer w0.15: R15.2@25.4,1.75 R16.2@26.3,1.75 26.85,1.75 v1(27,1.6)
  Bottom Layer w0.2: v1(2,18.925) 2,19.675 3.2,20.875 3.2,22 v1(3.3,22.1) ; v1(5.75,29.75) 5.425,30.075 5.425,30.625 5.65,30.85 C8.2@6,30.85 ; C11.2@6.647,18.318 C7.2@6.647,19.207 ; C10.2@9.096,16.958 C9.2@9.985,16.958 ; R68.2@9.823,21.236 10.786,21.236 10.967,21.417 v1(10.967,21.898) ; v1(29.3,7) 29.525,7.225 C22.1@30.5,7.225 30.518,7.225 31.393,6.35 R76.2@32.6,6.35
  Bottom Layer w0.3: C6.2@11.882,19.333 v1(12.898,19.333) ; 19.05,14.85 19.1,14.9 19.105,14.895 v1(20.095,14.895) ; C22.1@30.65,7.3 U5.6@30.65,8.425
  Bottom Layer w0.4: R29.2@18.7,15.2 19.05,14.85 19.2,14.7 R30.2@19.2,14.25
  other v2: 22.7,27.8
NetC1_2: C1.2 R1.2 U1.G1 X1.3 | length 7.4
  Top Layer w0.125: C1.2@10.496,29.675 10.496,27.404 10.5,27.4 ; U1.G1@10.65,23.55 10.5,23.7 10.5,27.4 ; X1.3@11.525,27.925 11.025,27.925 10.5,27.4
NetC2_2: C2.2 R1.1 U1.H1 X1.1 | length 7.2
  Top Layer w0.125: X1.1@9.15,26.35 X1.1@9.325,26.525 ; C2.2@9.596,29.675 10.1,29.171 10.1,27.3 X1.1@9.325,26.525 ; U1.H1@10,23.55 10,25.85 X1.1@9.325,26.525
NetC3_1: C3.1 U1.M10 | length 1.8
  Top Layer w0.1: U1.M10@7.4,17.7 8,17.7 v1(8.2,17.9)
  Bottom Layer w0.1: C3.1@7.497,17.429 7.729,17.429 v1(8.2,17.9)
NetC4_1: C4.1 U1.F13 | length 1.4
  Top Layer w0.1: v1(10.948,16.083) 10.967,16.083 U1.F13@11.3,15.75
  Bottom Layer w0.1: C4.1@10.007,16.083 v1(10.948,16.083)
NetC18_2: C18.2 U4.14 | length 1.1
  Bottom Layer w0.2: U4.14@32.05,21.55 32.675,21.55 C18.2@33,21.225
NetC19_1: C19.1 U4.10 | length 2.1
  Bottom Layer w0.3: U4.10@30.35,22.75 30.35,23.55 31.05,24.25 C19.1@31.375,24.25
NetC31_1: C31.1 U13.3 | length 1.1
  Top Layer w0.2: C31.1@17.775,25.05 U13.3@18.9,25.05
NetC70_1: C70.1 U24.3 | length 1.2
  Top Layer w0.2: C70.1@25.217,24.892 U24.3@26.467,24.892
NetD1_2: D1.2 R40.2 | length 1.6
  Top Layer w0.1: D1.2@2.798,8.336 D1.2@2.808,8.325
  Top Layer w0.125: D1.2@2.808,8.325 R40.2@4.35,8.325
NetD2_2: D2.2 R41.2 | length 1.6
  Top Layer w0.1: D2.2@2.798,9.736 2.833,9.7 R41.2@4.35,9.7
NetD3_2: D3.2 R42.2 | length 10.4
  Top Layer w0.1: R42.2@2.1,20.45 2.1,19.8 1.65,19.35 1.65,18.78 1.855,18.575 2.25,18.575 2.625,18.2 2.625,17.975 3.15,17.45 3.15,15.75 2.325,14.925 1.575,14.925 1.225,14.575 1.225,14.125 2.125,13.225 D3.2@2.125,12.7
NetD4_K: D4.K R50.2 | length 1.2
  Top Layer w0.2: R50.2@15.367,5.542 D4.K@16.614,5.542
NetR33_2: R33.2 U2.3 | length 1.8
  Top Layer w0.2: R33.2@3.7,27.45 4.925,27.45 U2.3@5.3,27.825
NetR49_2: R49.2 U3.3 U3.7 | length 7.9
  Bottom Layer w0.15: U3.7@9.465,25.675 9.465,27.915 9.825,28.275 10.475,28.275 10.675,28.475 R49.2@10.675,32.7
NetR76_1: R76.1 U5.4 | length 1
  Bottom Layer w0.15: R76.1@32.55,7.25 U5.4@32.55,8.25
NPOWER_IN_A: U1.M7 U$9001.55 | length 11.4
  Top Layer w0.1: U1.M7@7.4,19.65 7.899,19.151 v1(8.25,19.151)
  S1 w0.1: v1@8.2,19.25 8.531,19.25 8.85,18.931 8.85,18.5 9.15,18.2 9.15,16.468 9.698,15.92 9.698,15.157 10.73,14.125 12.205,14.125 12.725,13.605 12.725,12.775 13.001,12.499 v1(13.001,12.451) ; v1(8.25,19.151) v1@8.25,19.2
  Bottom Layer w0.15: U$9001.55@13.001,12.001 v1(13.001,12.451)
NPOWER_IN_B: U1.L15 U$9001.57 | length 7.9
  Top Layer w0.1: U1.L15@8.05,14.45 8.05,13.85 8.2,13.7 v1(8.2,13.1)
  Bottom Layer w0.15: v1(8.2,13.1) 8.2,13.45 8.4,13.65 12.039,13.65 12.49,13.199 U$9001.57@12.49,11.616
NPOWER_IN_C: U1.K15 U$9001.59 | length 6.2
  Top Layer w0.15: U1.K15@8.7,14.45 8.7,13.9 9.1,13.5 v1(9.1,13.2)
  Bottom Layer w0.15: v1(9.1,13.2) 9.275,13.375 11.925,13.375 12.1,13.2 12.1,12.5 12,12.4 12,12.334 11.982,12.316 U$9001.59@11.982,11.616
NRST: R5.1 U1.J1 U5.1 U$9001.7 | length 65.3
  Top Layer w0.125: v1(6.7,31.2) 7.15,31.2 7.567,30.783 7.567,30.25 7.463,30.145 7.463,26.612 8.975,25.1 8.975,24.857 9.588,24.245 9.588,23.788 U1.J1@9.35,23.55
  S1 w0.125: v1(6.7,31.2) 6.825,31.2 7.375,30.65 7.375,26.425 7.7,26.1 13.6,26.1 14.05,26.55 15.213,26.55 15.75,26.013 22.187,26.013 22.934,25.266 24.934,25.266 25.6,24.6 29.136,24.6 29.8,23.936 v1(29.8,23.525) ; v1@24.413,12.862 24.426,12.876 v1@24.501,12.876
  S1 w0.2: v1(24.501,12.801) 24.501,12.199 25.3,11.4 30,11.4 30.4,11.8 v1(30.7,11.8)
  POWER w0.125: v1(24.501,12.801) 24.464,12.838 24.012,12.838 23.825,13.025 23.825,13.525 24.237,13.937 24.237,18.127 24.014,18.35 23.475,18.35 23.25,18.575 23.25,18.95 23.65,19.35 24.85,19.35 25.075,19.575 25.075,20.25 25.35,20.525 25.818,20.525 26.2,20.907 26.2,22.071 26.666,22.538 29.55,22.538 29.8,22.787 v1(29.8,23.525)
  Bottom Layer w0.125: v1@24.501,12.876 24.824,12.876 25.007,12.693 U$9001.7@25.007,11.616
NSAFETY_SWITCH_LED: U1.R10 U$9001.28 | length 41
  Top Layer w0.15: v1(1.625,14.35) 1.625,14.546 1.754,14.675 2.429,14.675 3.4,15.646 3.4,16.325 3.875,16.8 4.7,16.8 5,17.1 5,17.6 5.1,17.7 U1.R10@5.45,17.7
  S1 w0.15: v1(1.625,14.35) 1.625,14.1 1.95,13.775 1.95,7.253 4.012,5.19 4.012,2.036 5.349,0.7 8.354,0.7 8.679,1.025 11.268,1.025 12.188,1.945 12.188,5.263 12.5,5.575 19.739,5.575 v1(20.007,5.307)
  Bottom Layer w0.125: v1(20.007,5.307) U$9001.28@20.007,6.4
NSPI5_RESET_EXTERNAL1: U1.R12 | length 0.5
  Top Layer w0.1: v1(5.117,16.048) 5.117,16.067 U1.R12@5.45,16.4
NVDD_5V_HIPOWER_EN: U1.P6
NVDD_5V_HIPOWER_OC: R31.1 U1.N6 U$9001.45 | length 17.9
  Top Layer w0.1: v1@6.439,19.989 U1.N6@6.75,20.3 ; R31.1@14.8,11.925 15.325,11.925 15.487,12.087 v1(15.487,12.587)
  S1 w0.1: v1(6.425,19.951) 6.926,19.951 7.3,20.325 8.475,20.325 9.3,19.5 9.3,18.75 9.723,18.327 9.723,17.534 10.148,17.109 10.148,15.343 10.916,14.575 12.457,14.575 13.4,13.632 13.4,13.23 13.5,13.13 13.5,12.48 13.705,12.275 15.175,12.275 v1(15.487,12.587)
  Bottom Layer w0.1: U$9001.45@15.487,11.616 v1(15.487,12.587)
NVDD_5V_PERIPH_EN: U1.K14 U$9001.27 | length 27.1
  Top Layer w0.1: U1.K14@8.7,15.1 9.01,14.79 9.01,14.115 9.45,13.675 9.45,12.905 v1(9.175,12.63)
  S2 w0.1: v1(9.175,12.63) 9.107,12.562 9.107,12.145 8.8,11.837 7.638,11.837 6.863,11.063 6.863,10.487 5.95,9.575 5.95,8.65 6.7,7.9 10.2,7.9 10.5,8.2 11.4,8.2 11.6,8.4 15.8,8.4 16.25,8.85 16.25,10.8 16.4,10.95 17.875,10.95 18.6,10.225 19.55,10.225 v1(19.8,10.475)
  Bottom Layer w0.2: v1(19.8,10.475) 20.007,10.682 U$9001.27@20.007,11.616
NVDD_5V_PERIPH_OC: R32.1 U1.R11 U$9001.43 | length 18.2
  Top Layer w0.1: R32.1@4.3,16.325 4.725,16.325 U1.R11@5.45,17.05 v1(5.761,17.361)
  S1 w0.1: v1(5.761,17.361) 6.432,17.361 8.093,15.7 9,15.7 9.248,15.452 9.248,14.97 10.543,13.675 12.018,13.675 12.275,13.418 12.275,12.257 12.707,11.825 14.357,11.825 14.925,11.257 14.925,10.48 15.48,9.925 v1(15.55,9.925)
  Bottom Layer w0.1: v1(15.55,9.925) 15.75,9.925 15.995,10.17 U$9001.43@15.995,11.616
OTG_FS_DM: U1.C15 U14.6 | length 4.6
  Top Layer w0.1: U1.C15@13.25,14.45 13.25,14.265 13.398,14.117 13.503,14.117 13.924,13.696 15.547,13.696 16.115,14.264 16.64,14.264 16.963,13.941 U14.6@17.085,13.941
OTG_FS_DP: U1.B15 U14.4 | length 3.8
  Top Layer w0.1: U1.B15@13.9,14.45 13.9,14.265 14.115,14.05 15.4,14.05 15.968,14.618 16.64,14.618 16.963,14.941 U14.4@17.085,14.941
OTG_N: U14.1 U$9001.33 | length 4.8
  Top Layer w0.125: U14.1@18.435,13.941 18.666,13.941 18.925,14.2 19.525,14.2 19.65,14.075 19.65,13.004 19.511,12.865 18.665,12.865 18.514,12.714 v1(18.514,12.502)
  S1 w0.1: v1@18.514,12.386 v1(18.514,12.502)
  Bottom Layer w0.2: U$9001.33@18.514,11.616 v1@18.514,12.402
OTG_P: U14.3 U$9001.31 | length 4.9
  Top Layer w0.125: U14.3@18.435,14.941 18.634,14.941 19.05,14.525 19.575,14.525 19.9,14.2 19.9,12.9 19.502,12.502 v1(19.014,12.502)
  Bottom Layer w0.2: U$9001.31@19.014,11.616 v1@19.014,12.402
PDR_ON: R2.1 R3.1 U1.C6 | length 4
  Top Layer w0.1: U1.C6@13.25,20.3 13.562,20.612 R2.1@16.507,20.612 ; R2.1@16.545,20.698 16.547,20.7 R3.1@16.547,20.042
POWER_B: R71.2 U$9001.53 | length 47.7
  S1 w0.1: v1(6.9,8.8) 7.475,9.375 10.73,9.375 10.93,9.175 11.321,9.175 12.046,9.9 12.9,9.9 v1(13.3,10.3)
  S1 w0.125: v1(1.2,5.1) 1.85,5.1 2.125,5.375 2.125,6.707 1.687,7.144 1.687,13.613 1.1,14.2 1.1,14.75 1.375,15.025 2.125,15.025 2.825,15.725 2.825,17.525 2.425,17.925 2.425,19.225 1.788,19.862 1.15,19.862 0.937,20.075 0.937,20.537 1.6,21.2 1.6,23.146 0.725,24.021 0.725,25.825 2,27.1 2.65,27.1 3.075,27.525 v1(3.1,27.525)
  S2 w0.2: v1(3.1,27.525) 3.325,27.3 v1(3.325,24.7)
  Bottom Layer w0.1: v1(13.3,10.3) 13.506,10.506 U$9001.53@13.506,11.616
  Bottom Layer w0.125: v1(1.2,5.1) 3.1,5.1 3.482,5.482 3.482,7.212 3.97,7.7 5.8,7.7 v1(6.9,8.8)
RC_IN: R17.3 U22.1 U22.3 | length 23.9
  Top Layer w0.15: v1(10.9,9.7) 11.225,9.375 R17.3@11.225,8.925 ; v1(22.6,10.7) 22.5,10.7 21.6,11.6 21.6,16.389 U22.1@21.481,16.508 21.481,17.281 21.7,17.5 22.5,17.5 22.781,17.219 U22.3@22.781,16.508
  Bottom Layer w0.15: v1(10.9,9.7) 10.9,8.85 11.25,8.5 15.246,8.5 15.846,9.1 18.6,9.1 19.425,9.925 21.925,9.925 22.6,10.6 v1(22.6,10.7)
RC_IN_PORT: R17.6 U$9001.62 | length 1.6
  Top Layer w0.15: R17.6@11.225,8.025 11.225,7.675 11.499,7.401 v1(11.499,7.286)
  Bottom Layer w0.2: U$9001.62@11.499,6.4 v1@11.499,7.186
RED_LED: R42.1 U1.R4 | length 4.1
  Top Layer w0.1: R42.1@2.35,21.35 R42.1@2.1,21.35 2.325,21.125 3.025,21.125 3.3,20.85 4.332,20.85 5.082,21.6 U1.R4@5.45,21.6
RSSI_IN: R65.2 U$9001.26 | length 1.7
  Bottom Layer w0.15: R65.2@20.507,4.707 U$9001.26@20.507,6.4
RSSI_IN_CHANNEL: R65.1 U1.R5 | length 38.6
  Top Layer w0.1: v1(3.274,20.174) 3.274,20.374 3.3,20.4 4.6,20.4 5.15,20.95 U1.R5@5.452,20.95
  S1 w0.1: v1(3.274,20.174) 3.413,20.036 3.413,18.367 3.775,18.004 3.775,13.693 3.163,13.081 3.163,7.738 4.6,6.3 5.237,5.662 5.237,5.309 5.238,2.508 5.846,1.9 7.708,1.9 8.208,2.4 10.2,2.4 v2(10.2,2.5)
  S2 w0.2: v2(10.2,2.5) 10.9,2.5 12.9,4.5 v2(18,4.5)
  Bottom Layer w0.15: v2(18,4.5) 19.65,4.5 20.45,3.7 R65.1@20.5,3.75
SAFETY: R27.2 U$9001.17 | length 2.2
  Bottom Layer w0.125: U$9001.17@22.507,11.616 22.507,12.557 R27.2@23.4,13.45
SAFETY_SWITCH_IN: R27.1 R43.2 U1.R9 | length 25.6
  Top Layer w0.1: R43.2@4.086,18.336 4.172,18.25 5.402,18.25 U1.R9@5.488,18.336
  Top Layer w0.15: v1(3.9,18.4) R43.2@3.9,18.6
  S2 w0.1: v1(3.9,18.4) 3.9,17.15 4.375,16.675 5.725,16.675 6.15,17.1 6.565,17.1 7.452,16.212 7.452,15.829 7.075,15.452 7.075,14.85 7.55,14.375 19.48,14.375 19.93,13.925 22.975,13.925 v1(23.4,14.35)
SBUSINV: R48.2 U22.6 | length 1
  Top Layer w0.2: R48.2@20.405,18.432 U22.6@21.357,18.432
SCALED_V5_CH_IN: R35.2 U$9001.75 | length 6.1
  S2 w0.125: v1(5,14.2) 7,14.2 7.6,13.6 7.6,12.7 7.9,12.4 v1(8,12.4)
  Bottom Layer w0.1: U$9001.75@7.994,11.616 8,11.622 v1(8,12.4)
  Bottom Layer w0.15: R35.2@4.1,14.5 4.4,14.2 v1(5,14.2)
SDIO1_CARD_DETECT: TF.10
SDMMC1_CK: TF.5 U1.A12 | length 21.5
  Top Layer w0.1: U1.A12@14.55,16.4 15.4,16.4 15.737,16.063 17.938,16.063 v1(18.075,16.2)
  Bottom Layer w0.1: v1(18.075,16.2) 18.1,16.2 18.275,16.375 18.275,19.175 17.1,20.35 17.1,22.534 16.75,22.884 16.75,26.476 16.622,26.604 16.622,28.219 16.2,28.641 16.2,29.146 16.606,29.551 16.944,29.551 17.045,29.45 17.405,29.45 17.53,29.575 17.82,29.575 17.945,29.45 18.55,29.45 18.9,29.8 TF.5@18.9,30.5
SDMMC1_CMD: R53.2 TF.3 U1.D12 | length 29.6
  Top Layer w0.1: v1(12.248,16.733) 12.267,16.733 U1.D12@12.6,16.4 ; v1(21,31.9) 21.375,32.275 24.1,32.275 24.425,31.95 R53.2@24.425,31.7
  POWER w0.1: v1(14.9,27.175) 14.9,31.5 15.3,31.9 v1(21,31.9)
  Bottom Layer w0.1: v1(12.248,16.733) 13.978,16.733 15.75,18.505 15.75,21.975 15.4,22.325 15.4,25.917 15.272,26.045 15.272,26.878 14.975,27.175 v1(14.9,27.175)
  Bottom Layer w0.125: TF.3@21,30.6 v1(21,31.9)
SDMMC1_D0: R52.2 TF.7 U1.G14 | length 26.9
  Top Layer w0.1: U1.G14@10.65,15.1 10.967,15.417 v1(10.967,15.383)
  Bottom Layer w0.1: v1(10.967,15.383) 10.967,14.933 11.125,14.775 14.425,14.775 15.125,15.475 15.125,16.225 16.9,18 16.9,18.345 17.4,18.845 17.4,19.731 16.875,20.256 16.875,22.441 16.525,22.791 16.525,26.383 16.397,26.511 16.397,28.126 15.975,28.548 15.975,29.288 16.5,29.813 TF.7@16.5,30.1 ; v1(13.95,32.375) 13.95,32.35 14,32.3 16.45,32.3 16.7,32.05 TF.7@16.7,30.3 16.7,30.2 TF.7@16.5,30
SDMMC1_D1: R51.2 TF.8 U1.F14 | length 24.2
  Top Layer w0.1: U1.F14@11.3,15.1 11.617,15.417 v1(11.617,15.383)
  Bottom Layer w0.1: v1(11.617,15.383) 11.617,15.183 11.8,15 14.332,15 14.9,15.568 14.9,16.318 16.65,18.068 16.65,22.348 16.3,22.698 16.3,26.29 16.172,26.418 16.172,28.033 15.75,28.455 15.75,31.75 15.5,32 14.1,32 13.675,31.575 v1(13.675,31.3)
SDMMC1_D2: R55.2 TF.1 U1.B14 | length 27.7
  Top Layer w0.1: U1.B14@13.9,15.1 v1@14.233,15.433
  S1 w0.2: v1(15.275,28.601) 15.275,28.925 15.975,29.625 18.85,29.625 19.575,28.9 20.3,28.9 20.8,29.4 20.8,29.8 21.125,30.125 23.975,30.125 v1(24.4,29.7)
  Bottom Layer w0.1: v1(14.233,15.452) 14.675,15.895 14.675,16.475 16.425,18.225 16.425,22.255 16.075,22.605 16.075,26.197 15.947,26.325 15.947,27.94 15.285,28.601 v1(15.275,28.601)
  Bottom Layer w0.2: TF.1@23.3,30.5 24.05,30.5 24.4,30.15 v1(24.4,29.7)